# Altium PCB SLMVRtt_REV1.4_MH.PcbDoc
Units mil, origin at the board's own origin, x right, y up, seen from the top; angles counter-clockwise.
Board outline 1968.5 x 1968.5 mil, 2 copper layers (Top Layer, Bottom Layer); 96 components, 62 nets, 337 pads, 199 vias.
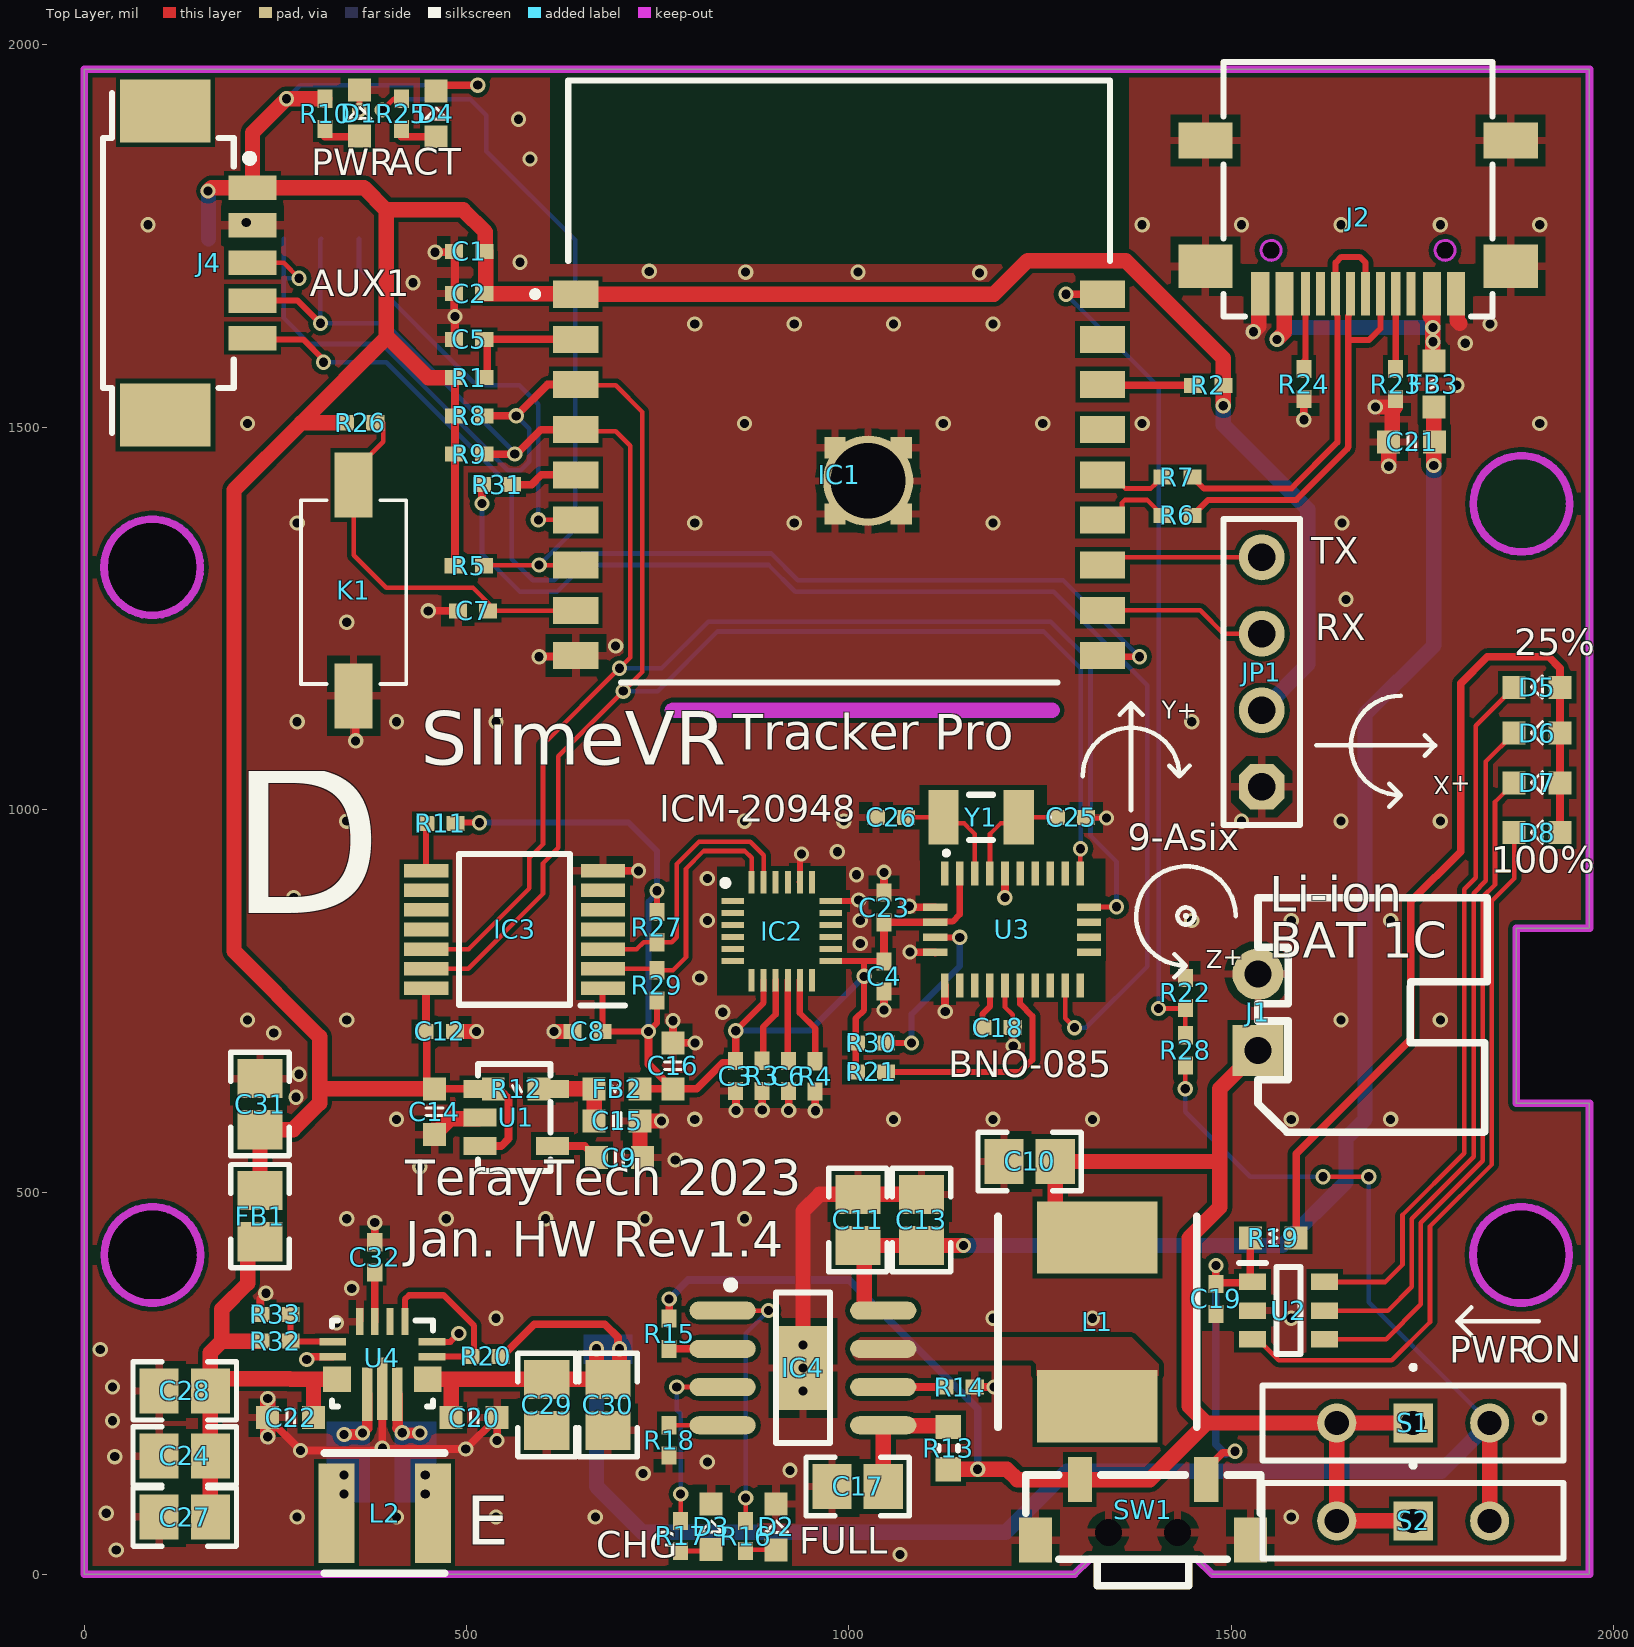
[diagram p0: Top Layer view]
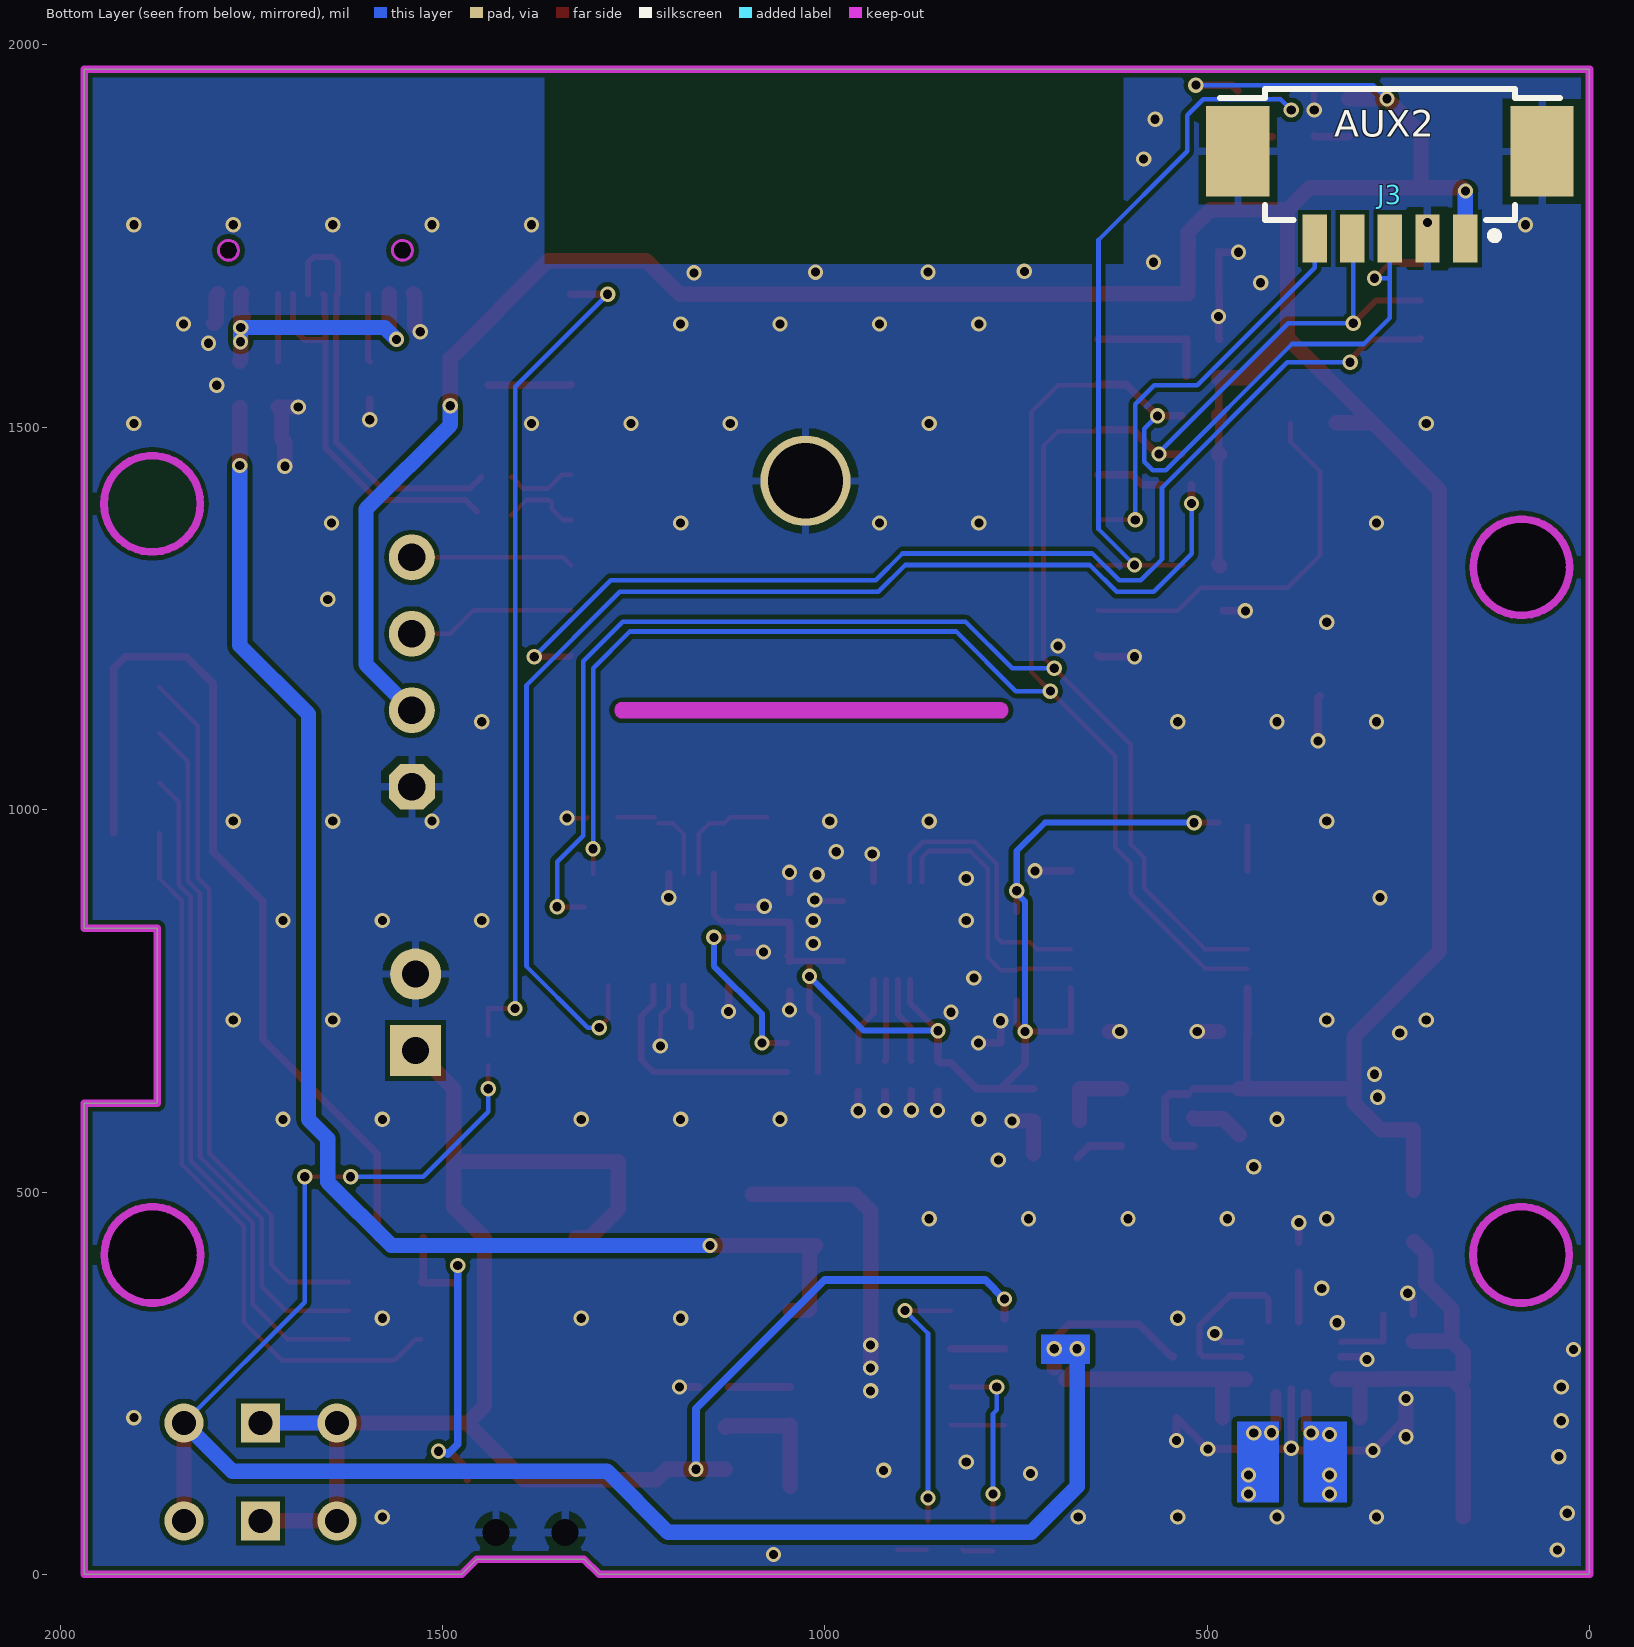
[diagram p1: Bottom Layer view, seen from below]

## Layer stack, top to bottom
Top Solder: solder mask 0.4, Solder Resist, Dk 3.5
Top Layer: signal copper 1.4
Dielectric 1: dielectric 12.6, FR-4, Dk 4.8
Bottom Layer: signal copper 1.4
Bottom Solder: solder mask 0.4, Solder Resist, Dk 3.5

## Board outline
0,0 0,1968.5 1968.5,1968.5 1968.5,845 1873,845 1873,616 1968.5,616 1968.5,0 1475,0 1455,20 1315,20 1295,0
cut-out: 1816.26,417.75 ccw(c1879.25,417.75) 1879.25,354.76 ccw(c1879.25,417.75) 1942.24,417.75 ccw(c1879.25,417.75) 1879.25,480.74 ccw(c1879.25,417.75)
cut-out: 26.26,417.75 ccw(c89.25,417.75) 89.25,354.76 ccw(c89.25,417.75) 152.24,417.75 ccw(c89.25,417.75) 89.25,480.74 ccw(c89.25,417.75)
cut-out: 26.01,1317 ccw(c89,1317) 89,1254.01 ccw(c89,1317) 151.99,1317 ccw(c89,1317) 89,1379.99 ccw(c89,1317)
cut-out: 770,1119.99 cw(c770,1130) 770,1140.01 1265,1140.01 cw(c1265,1130) 1275.01,1130 cw(c1265,1130) 1265,1119.99
cut-out: 1766.74,1731.5 ccw(c1779.74,1731.5) 1779.74,1718.5 ccw(c1779.74,1731.5) 1792.74,1731.5 ccw(c1779.74,1731.5) 1779.74,1744.5 ccw(c1779.74,1731.5)
cut-out: 1539.18,1731.5 ccw(c1552.18,1731.5) 1552.18,1718.5 ccw(c1552.18,1731.5) 1565.18,1731.5 ccw(c1552.18,1731.5) 1552.18,1744.5 ccw(c1552.18,1731.5)

## Design rules (kind name [scope] priority, off if disabled: settings)
Clearance [All] p1: gap=6 ignorepadtopadclearanceinfootprint=TRUE except(0: Arc-Hole Track-Hole SMDPad-Hole THPad-Hole Via-Hole Fill-Hole Poly-Hole Region-Hole Text-Hole; 10: Arc-Text Track-Text SMDPad-Text THPad-Text Via-Text Fill-Text Poly-Text Region-Text Text-Text)
ComponentClearance [All] p1 off: gap=10 collisioncheckmode=3 verticalgap=10 showdistances=FALSE
PolygonConnect PolygonConnect_1 [InNet('Netic4_7')] p1: connectstyle=Direct reliefconductorwidth=10 reliefentries=4 polygonreliefangle="90 Angle" airgapwidth=10
PolygonConnect PolygonConnect_1VIA [IsVia] p2: connectstyle=Direct reliefconductorwidth=10 reliefentries=4 polygonreliefangle="90 Angle" airgapwidth=10
PolygonConnect [All] p3: connectstyle=Relief reliefconductorwidth=10 reliefentries=4 polygonreliefangle="90 Angle" airgapwidth=10
RoutingVias [All] p1: holewidth=28 width=50 viastyle="Through Hole" minholewidth=12 minwidth=20 maxholewidth=28 maxwidth=50
SolderMaskExpansion [All] p1: expansion=4 istentingtop=FALSE
Width [All] p1: maxlimit=20 minlimit=6 preferedwidth=10 minimp=50.000000 maximp=50.000000 favimp=50.000000
29 further rules are at their usual default settings.

## Components (designator, comment, footprint, x,y, rotation, side; value= is the part's Value field where it differs from the comment)
C1 "0.1uF" 0402L 503.5,1730 r0 top value=104
C2 "0.1uF" 0402L 503.5,1675 r0 top value=104
C3 "0.1uF" 0402L 852,651.69 r270 top value=104
C4 "0.1uF" 0402L 1046,782 r270 top value=104
C5 "1uF" 0402L 503.5,1615 r0 top value=104
C6 "0.1uF" 0402L 921,651.68 r90 top value=104
C7 "0.1uF" 0402L 508.5,1260 r180 top value=104
C8 "0.1uF" 0402L 658.32,710 r180 top value=104
C9 "NC" 0603_C 700,545 r180 top value=104
C10 "22uF" 0805 1236.54,540 r0 top value=104
C11 "10uF" 0805 1011.8,463.46 r270 top value=104
C12 "0.1uF" 0402L 465,710 r0 top value=104
C13 "22uF" 0805 1095,463.46 r270 top value=104
C14 "2.2uF" 0603_C 458,605 r90 top value=104
C15 "2.2uF" 0603_C 697,593 r180 top value=104
C16 "1uF" 0603_C 770,665 r270 top value=104
C17 "22uF" 0805 1011.54,115 r0 top value=104
C18 "0.1uF" 0402L 1194.69,715 r180 top value=104
C19 "0.1uF" 0402L 1480,360.31 r90 top value=104
C20 "10uF" 0603_C 510,205 r0 top value=104
C21 "2.2uF" 0603_C 1736,1481 r0 top value=104
C22 "10uF" 0603_C 270,205 r180 top value=104
C23 "0.1uF" 0402L 1046,872 r270 top value=104
C24 "22uF" 0805 131.54,155 r180 top value=104
C25 "12pF" 0402L 1290.69,990 r180 top value=104
C26 "12pF" 0402L 1055.31,990 r0 top value=104
C27 "22uF" 0805 131.54,75 r180 top value=104
C28 "22uF" 0805 131.54,240 r180 top value=104
C29 "10uF" 0805 605,221.54 r90 top value=104
C30 "10uF" 0805 685,221.54 r90 top value=104
C31 "10uF" 0805 230,615 r270 top value=104
C32 "0.1uF" 0402L 380,414.69 r270 top value=104
D1 "黄" 0603_LED 360,1910 r90 top
D2 "红" 0603_LED 905,61 r90 top
D3 "绿" 0603_LED 820,61.31 r90 top
D4 "蓝" 0603_LED 460,1909 r90 top
D5 "黄" 0603_LED 1901,1160 r180 top
D6 "黄" 0603_LED 1901,1100 r180 top
D7 "黄" 0603_LED 1901,1035 r180 top
D8 "黄" 0603_LED 1901,970 r180 top
FB1 "600Ω @ 100MHz" 0805 230,468.46 r90 top
FB2 "600Ω @ 100MHz" 0603 697,635 r0 top
FB3 "600Ω @ 100MHz" 0603 1765,1556.5 r270 top
IC1 "ESP32-C3-WROOM-02-N4" ESP32C3WROOM02N4 1025.2,1430 r0 top locked
IC2 "ICM-20948" QFN40P300X300X105-25N-D 912.25,841.25 r0 top
IC3 "LSF0204PWR" SOP65P640X120-14N 562.79,843.35 r180 top
IC4 "IP2312" SOIC-8N 940,270 r0 top
J1 "2PIN" XH2.54-WI-2P 1535,735 r90 top
J2 "USB_TYPEC_2.0" USB_TYPEC_2.0_Horizontal_SMT 1665.96,1875.2 r180 top
J3 "HEADER-5PIN" HEADER_5P_1.25_RT 261,1857 r0 bottom
J4 "HEADER-5PIN" HEADER_5P_1.25_RT 110,1715 r270 top
JP1 "header 4PIN" header4 1540,1030 r90 top
K1 "KEY" KEY_2 368.5,1295 r270 top
L1 "INDUCTOR" "Inductor  SLO0650" 1325,330.24 r180 top value=1uH
L2 "INDUCTOR" "Inductor  SMNR4020" 392.99,80 r270 top value=1.5uH
R1 "10K" 0402L 503.5,1565 r0 top value=1K
R2 "10K" 0402L 1470,1555 r0 top value=1K
R3 "10K" 0402L 886.5,652 r270 top value=1K
R4 "10K" 0402L 956,651.32 r270 top value=1K
R5 "10K" 0402L 503,1319 r0 top value=1K
R6 "0R" 0402L 1429.69,1385 r180 top value=1K
R7 "0R" 0402L 1429.69,1435 r180 top value=1K
R8 "4.7K" 0402L 503.5,1515 r180 top value=1K
R9 "4.7K" 0402L 503.5,1465 r180 top value=1K
R10 "10K" 0402L 315,1910 r270 top value=1K
R11 "10K" 0402L 466,982 r180 top value=1K
R12 "NC" 0603 565,635 r180 top value=1K
R13 "510mR" 0603L 1130,165 r270 top value=1K
R14 "135K" 0402L 1145,245 r0 top value=1K
R15 "1K" 0402L 765,314.68 r90 top
R16 "10K" 0402L 865,50 r90 top value=1K
R17 "10K" 0402L 780,50.31 r90 top value=1K
R18 "51K" 0402L 765,175.31 r90 top value=1K
R19 "1K" 0603_R 1555,440 r0 top
R20 "10K" 0402L 525,285 r180 top value=1K
R21 "10K" 0402L 1029,657 r0 top value=1K
R22 "10K" 0402L 1440,760.32 r270 top value=1K
R23 "5.1K" 0402L 1715,1556.5 r270 top value=1K
R24 "5.1K" 0402L 1595,1556.5 r270 top value=1K
R25 "10K" 0402L 415,1910 r270 top value=1K
R26 "10K" 0402L 361,1506 r180 top value=1K
R27 "4.7K" 0402L 749,846.31 r90 top value=1K
R28 "10K" 0402L 1440,685.32 r270 top value=1K
R29 "4.7K" 0402L 749,770.32 r270 top value=1K
R30 "10K" 0402L 1029,695 r0 top value=1K
R31 "100R" 0402L 540,1425 r180 top value=1K
R32 "470K" 0402L 250,305 r180 top value=1K
R33 "150K" 0402L 250,340 r0 top value=1K
S1 "BSI-10" BSI10 1738,198 r180 top
S2 "BSI-10" BSI10 1738,70 r180 top (schematic designator S1)
SW1 "switch 侧按" "TSW 3*6*4.3-S-W" 1384.72,55 r0 top
U1 "SPX3819-1.8" SOT-23-5 567.98,598.5 r270 top
U2 "HX70A" SOT95P250X110-6N 1575,345 r0 top
U3 "BNO-08x" BNO085 1214.06,842.84 r90 top
U4 "TPS63070RNMR" RNM0015A 390,275.67 r270 top value=Value
Y1 "FC-135_32.7680KA-AG0" FC135327680KAAG0 1173,990 r180 top

## Footprints (in the part's own frame and the unit in brackets; to place one, negate y for a bottom-side part, rotate by r counter-clockwise, add the part's x,y. Pads: shape width x height; smd on the part's side, far side on the other; paste and mask are expansions set on the pad)
0402L [mm] "0402 from SM-752 data"
  rect 0.6x0.5 smd: 1(-0.5,0) 2(0.5,0)
  body extent -0.55,-0.3 0.55,0.3, height 0.6
0603 [mil]
  rect 30x30 smd: 1(-30,0) 2(30,0)
  silkscreen extent -7,-4 5,4, body extent -31,-18 31,19, height 34
0603_C [mil] "Capacitor"
  rect 30x30 smd: 1(-30,0) 2(30,0)
  silkscreen extent -5,-11 5,11, body extent -51,-18 52,21, height 35
0603_LED [mil]
  rect 30x30 smd: 1(31,0) 2(-29,0)
  silkscreen extent -6,-15 9,14, body extent -31,-16 31,16, height 24
0603_R [mil]
  rect 30x30 smd: 1(-30,0) 2(30,0)
  silkscreen extent -5,-10 5,10, body extent -34,-19 34,19, height 39
0603L [mm] "0603 from SM-752 data"
  rect 0.8x0.85 smd: 1(-0.7,0) 2(0.7,0)
  silkscreen extent -0.07,-0.33 0.07,0.33, body extent -0.87,-0.47 0.87,0.47, height 1
0805 [mm] "0805 from SM-752 data"
  rect 1.3x1.5 smd: 1(-0.85,0) 2(0.85,0)
  silkscreen extent -1.72,-0.97 1.72,0.97, body extent -1.1,-0.72 1.1,0.72, height 1.45
BNO085 [mm]
  rect 0.8x0.25 smd: 1(1.868,2.25) 6(-1.842,2.25) 7(-1.842,1.75) 8(-1.842,1.25) 9(-1.842,0.75) 10(-1.842,0.25) 11(-1.842,-0.25) 12(-1.842,-0.75) 13(-1.842,-1.25) 14(-1.842,-1.75) 15(-1.842,-2.25) 20(1.868,-2.25) 21(1.868,-1.75) 22(1.868,-1.25) 23(1.868,-0.75) 24(1.868,-0.25) 25(1.868,0.25) 26(1.868,0.75) 27(1.868,1.25) 28(1.868,1.75)
  rect 0.25x0.8 smd: 2(0.75,2.567) 3(0.25,2.567) 4(-0.25,2.567) 5(-0.75,2.567) 16(-0.75,-2.542) 17(-0.25,-2.542) 18(0.25,-2.542) 19(0.75,-2.542)
  silkscreen extent 2.5,2.15 2.6,2.25, body extent -1.9,-2.6 1.9,2.6, height 1.28
BSI10 [mm]
  rect 1.3x1.3 hole 0.8: 1(0,0)
  round 1.3 hole 0.8: 2(2.54,0) 3(-2.54,0)
  silkscreen extent -5,-1.9 5,1.25, body extent -5,-1.25 5,1.25, height 6.5
ESP32C3WROOM02N4 [mm]
  rect 1.5x0.9 smd: 1(-9.71,6.2) 2(-9.71,4.7) 3(-9.71,3.2) 4(-9.71,1.7) 5(-9.71,0.2) 6(-9.71,-1.3) 7(-9.71,-2.8) 8(-9.71,-4.3) 9(-9.71,-5.8) 10(7.79,-5.8) 11(7.79,-4.3) 12(7.79,-2.8) 13(7.79,-1.3) 14(7.79,0.2) 15(7.79,1.7) 16(7.79,3.2) 17(7.79,4.7) 18(7.79,6.2)
  rect 0.7x0.7 smd: 19(0,0) 20(1.1,0) 21(1.1,1.1) 22(0,1.1) 23(-1.1,1.1) 24(-1.1,0) 25(-1.1,-1.1) 26(0,-1.1) 27(1.1,-1.1)
  silkscreen extent -11.16,-6.7 8.04,13.3, body extent -10.31,-6.7 7.69,13.3, height 3.2
FC135327680KAAG0 [mm]
  rect 1x1.8 smd: 1(-1.25,0) 2(1.25,0)
  silkscreen extent -2.3,-0.75 0.4,0.75, body extent -1.6,-0.75 1.6,0.75, height 0.9
header4 [mil]
  oct 60x60 hole 36: 1(0,0)
  round 60 hole 36: 2(100,0) 3(200,0) 4(300,0)
  silkscreen extent -50,-50 350,50
HEADER_5P_1.25_RT [mm]
  rect 0.81x1.6 smd: 1(-2.5,2.8) 2(-1.25,2.8) 3(0,2.8) 4(1.25,2.8) 5(2.5,2.8)
  rect 2.1x3 smd: MP1(-5.05,-0.1) MP2(5.05,-0.1)
  silkscreen extent -5.65,-2.17 5.65,2.82, body extent -5.5,-2.1 5.5,3.3, height 3.4
"Inductor  SLO0650" [mm]
  rect 4x2.4 smd: 1(0,2.8) 2(0,-2.8)
  silkscreen extent -3.3,-3.5 3.3,3.5, body extent -3.3,-3.5 3.3,3.5, height 5
"Inductor  SMNR4020" [mm]
  rect 3.3x1.2 smd: 1(0,1.6) 2(0,-1.6)
  silkscreen extent -2,-2 2,2, body extent -2,-2 2,2, height 2
KEY_2 [mil] "贴片"
  rect 85x49.37 smd: 1(-129.57,-16.14) 2(146.02,-16.14)
  silkscreen extent -110,-85 130,53, body extent -110,-88 130,58
QFN40P300X300X105-25N-D [mm]
  rect 0.75x0.2 smd: 1(-1.627,1) 2(-1.627,0.6) 3(-1.627,0.2) 4(-1.627,-0.2) 5(-1.627,-0.6) 6(-1.627,-1) 13(1.627,-1) 14(1.627,-0.6) 15(1.627,-0.2) 16(1.627,0.2) 17(1.627,0.6) 18(1.627,1)
  rect 0.2x0.75 smd: 7(-1,-1.627) 8(-0.6,-1.627) 9(-0.2,-1.627) 10(0.2,-1.627) 11(0.6,-1.627) 12(1,-1.627) 19(1,1.627) 20(0.6,1.627) 21(0.2,1.627) 22(-0.2,1.627) 23(-0.6,1.627) 24(-1,1.627)
  silkscreen extent -1.97,1.5 -1.78,1.7, body extent -1.5,-1.5 1.5,1.5, height 0.98
RNM0015A [mm]
  rect 0.889x0.24 smd paste+0 mask+0.051: 1(-1.397,0.75) 2(-1.397,0.25) 3(-1.397,-0.25) 4(-1.397,-0.75)
  rect 0.24x0.889 smd paste+0 mask+0.051: 5(-0.725,-1.651) 6(-0.225,-1.651) 14(-0.225,1.651) 15(-0.725,1.651)
  rect 0.85x0.7 smd paste-0.35 mask-0.356: 7(0.525,-1.4) 12(0.525,1.4)
  rect 0.85x0.889 smd paste-0.35 mask-0.356: 8(0.525,-1.524) 13(0.525,1.524)
  rect 1.778x0.35 smd paste-0.712 mask-0.051: 9(1.016,-0.5) 11(1.016,0.5)
  rect 2.083x0.343 smd paste-0.887 mask-0.051: 10(0.838,0)
  silkscreen extent -1.43,-1.68 1.43,1.68, body extent -1.25,-1.5 1.25,1.5, height 1.1
SOIC-8N [mm] "SOIC, has a pad under it"
  oval 2.2x0.6 smd: 1(-2.667,1.905) 2(-2.667,0.635) 3(-2.667,-0.635) 4(-2.667,-1.905) 5(2.667,-1.905) 6(2.667,-0.635) 7(2.667,0.635) 8(2.667,1.905)
  rect 1.778x2.794 smd: 9(0,0)
  silkscreen extent -2.52,-2.5 0.9,2.88, body extent -3,-2.45 3,2.45, height 1.7
SOP65P640X120-14N [mm]
  rect 1.475x0.45 smd: 1(-2.938,1.95) 2(-2.938,1.3) 3(-2.938,0.65) 4(-2.938,0) 5(-2.938,-0.65) 6(-2.938,-1.3) 7(-2.938,-1.95) 8(2.938,-1.95) 9(2.938,-1.3) 10(2.938,-0.65) 11(2.938,0) 12(2.938,0.65) 13(2.938,1.3) 14(2.938,1.95)
  silkscreen extent -3.67,-2.5 1.85,2.52, body extent -3.2,-2.5 3.2,2.5, height 1.2
SOT95P250X110-6N [mm]
  rect 0.9x0.55 smd: 1(-1.2,0.95) 2(-1.2,0) 3(-1.2,-0.95) 4(1.2,-0.95) 5(1.2,0) 6(1.2,0.95)
  silkscreen extent -1.65,-1.45 0.4,1.58, body extent -1.25,-1.45 1.25,1.45, height 1.1
SOT-23-5 [mm]
  rect 0.6x1.1 smd: 1(-0.926,-1.273) 2(0.024,-1.273) 3(0.974,-1.273) 4(0.974,1.127) 5(-0.926,1.127)
  silkscreen extent -1.75,-1.34 1.8,1.07, body extent -1.45,-1.53 1.45,1.27, height 1.2
"TSW 3*6*4.3-S-W" [mm] "侧立贴片3*6*4.3"
  rect 1.1x1.5 smd: 0(-3.575,-0.25) 0(3.575,-0.25)
  round 0 hole 0.9: 0(-1.15,0) 0(1.15,0)
  rect 0.8x1.5 smd: 1(2.1,1.75) 2(-2.1,1.75)
  silkscreen extent -3.9,-1.78 3.9,1.91, body extent -3.9,-1.79 3.9,1.91, height 3.51
USB_TYPEC_2.0_Horizontal_SMT [mm]
  rect 0.6x1.45 smd: A1(-3.25,5.095) A4(-2.45,5.095) A9(2.45,5.095) A12(3.25,5.095)
  rect 0.3x1.45 smd: A5(-1.25,5.095) A6(-0.25,5.095) A7(0.25,5.095) A8(1.25,5.095) B5(1.75,5.095) B6(0.75,5.095) B7(-0.75,5.095) B8(-1.75,5.095)
  rect 1.8x1.45 smd: Shell(-5.07,4.18) Shell(5.07,4.18)
  rect 1.8x1.2 smd: Shell(-5.07,0) Shell(5.07,0)
  Keep-Out Layer board cut-out: 2.89,3.325 2.766,3.35 2.66,3.42 2.59,3.526 2.565,3.65 2.565,3.65 2.59,3.774 2.66,3.88 2.766,3.95 2.89,3.975 2.89,3.975 3.014,3.95 3.12,3.88 3.19,3.774 3.215,3.65 3.215,3.65 3.19,3.526 3.12,3.42 3.014,3.35 2.89,3.325
  Keep-Out Layer board cut-out: -2.89,3.325 -3.014,3.35 -3.12,3.42 -3.19,3.526 -3.215,3.65 -3.215,3.65 -3.19,3.774 -3.12,3.88 -3.014,3.95 -2.89,3.975 -2.89,3.975 -2.766,3.95 -2.66,3.88 -2.59,3.774 -2.565,3.65 -2.565,3.65 -2.59,3.526 -2.66,3.42 -2.766,3.35 -2.89,3.325
  silkscreen extent -4.47,-2.6 4.47,5.85
XH2.54-WI-2P [mm] "接插件，2P"
  rect 1.7x1.7 hole 0.9: 1(-1.27,0)
  round 1.7 hole 0.9: 2(1.27,0)
  silkscreen extent -3.99,-7.62 3.81,0, body extent -3.77,-7.35 3.77,0.35, height 5.73

## Part data
C1 C2 C3 C4 C5 C6 C7 C8 C9 C10 C11 C12 C13 C14 C15 C16 C17 C18 C19 C20 C21 C22 C23 C24 C25 C26 C27 C28 C29 C30 C31 C32: library part CAP, "Capacitor", LatestRevisionDate=17-Jul-2002, LatestRevisionNote="Re-released for DXP Platform.", PackageReference=RAD-0.3, Published=8-Jun-2000, Publisher="Altium Limited"
D1 D2 D3 D4 D5 D6 D7 D8: library part LED, "LED 发光二极管"
FB1 FB2 FB3: library part FB, "磁珠 600Ω @ 100MHz"
IC1: "Integrated Circuit", Manufacturer_Name="Espressif Systems", Mouser Part Number=356-ESP32C3WROOM02N4, Datasheet Link=https://www.mouser.ch/datasheet/2/891/Espressif_ESP32_C3_WROOM_02-2006871.pdf, Height=3.35mm, Manufacturer_Part_Number=ESP32-C3-WROOM-02-N4, Mouser Price/Stock=https://www.mouser.co.uk/ProductDetail/Espressif-Systems/ESP32-C3-WROOM-02-N4?qs=stqOd1AaK7%2FqjTZKEOgfUg%3D%3D
IC2: "Integrated Circuit", Manufacturer_Name=TDK, Mouser Part Number=410-ICM-20948, Arrow Part Number=ICM-20948, Arrow Price/Stock=https://www.arrow.com/en/products/icm-20948/invensense?region=nac, Datasheet Link=https://product.tdk.com/system/files/dam/doc/product/sensor/mortion-inertial/imu/data_sheet/ds-000189-icm-20948-v1.3.pdf, Height=1.05mm, Manufacturer_Part_Number=ICM-20948, Mouser Price/Stock=https://www.mouser.co.uk/ProductDetail/TDK-InvenSense/ICM-20948?qs=u4fy%2FsgLU9OtGc31yF%2Friw%3D%3D
IC3: "Integrated Circuit", Manufacturer_Name="Texas Instruments", Mouser Part Number=595-LSF0204PWR, Arrow Part Number=LSF0204PWR, Arrow Price/Stock=https://www.arrow.com/en/products/lsf0204pwr/texas-instruments?region=nac, Datasheet Link=http://www.ti.com/lit/gpn/lsf0204, Height=1.2mm, Manufacturer_Part_Number=LSF0204PWR, Mouser Price/Stock=https://www.mouser.co.uk/ProductDetail/Texas-Instruments/LSF0204PWR?qs=m%2F7bTylgptck0MkFZrWcVg%3D%3D
IC4: "Integrated Circuit", Manufacturer_Name=INJOINIC, Datasheet Link=http://www.szjuquan.com/upload_files/qb_sell_/pdf/IP2312.pdf, Height=1.65mm, Manufacturer_Part_Number=IP2312
J1: library part "HEADER 2PIN"
J2: "USB 3.1 Type C Receptacle WR-COM, Horizontal, SMT / THT", Contact Resistance="30 mOhm", Operating Temperature="-40 to 105 degC", Part Number=632723300011, Rated Current="5 A", Working Voltage="20 VDC", ComponentLink1Description=Manufacturer, ComponentLink1URL=http://www.we-online.de, ComponentLink2Description=Datasheet, ComponentLink2URL=https://katalog.we-online.de/em/datasheet/632723x00011%282%29.pdf, Connector Type="USB 3.1 Type C", Gender=Receptacle, Mounting Technology="SMT / THT", Orientation=Horizontal, Packaging="Tape and Reel", Published Date="September 2018", Publisher="Wurth Elektronik"
JP1: library part "HEADER 4"
K1: library part KEY_2, "Switch", LatestRevisionDate=17-Jul-2002, LatestRevisionNote="Re-released for DXP Platform.", PackageReference=SPST-2, Published=24-Mar-1999, Publisher="Altium Limited"
L1 L2: "电感", Code_IEC=1005, Code_JEITA=0402, LatestRevisionDate=17-Jul-2002, LatestRevisionNote="Re-released for DXP Platform.", PackageReference=0402-A, Published=8-Jun-2000, Publisher="Altium Limited"
R1 R2 R3 R4 R5 R6 R7 R8 R9 R10 R11 R12 R13 R14 R15 R16 R17 R18 R19 R20 R21 R22 R23 R24 R25 R26 R27 R28 R29 R30 R31 R32 R33: library part RES, "Resistor", Published=8-Jun-2000, Publisher="Altium Limited", Revision="July-2002: Re-released for DXP Platform."
S1 S2: "Switch", Manufacturer_Name=Sungmun, Datasheet Link=https://datasheet.datasheetarchive.com/originals/distributors/Datasheets-2/DSA-20618.pdf, Height=6.4mm, Manufacturer_Part_Number=BSI-10
U1: library part ADP150
U2: "单节锂电池电量指示芯片"
U3: library part BNO085, "Accelerometer", Manufacturer_Name="Hillcrest Laboratories", Datasheet Link=https://www.hillcrestlabs.com/downloads/bno080-datasheet, Height=1.18mm, Manufacturer_Part_Number=BNO085
U4: "Imported", Manufacturer="Texas Instruments", PartNumber=TPS63070RNMR, RefDes=RefDes, Type=TYPE
Y1: "Crystal or Oscillator", Arrow Part Number="FC-135 32.7680KA-AG0", Manufacturer_Name="Epson Timing", Mouser Part Number=732-FC135-32.76KAAG0, Arrow Price/Stock=https://www.arrow.com/en/products/fc-13532.7680ka-ag0/epson-electronics-america?region=nac, Datasheet Link=https://support.epson.biz/td/api/doc_check.php?dl=brief_FC-135&lang=en/.pdf, Height=0.9mm, Manufacturer_Part_Number="FC-135 32.7680KA-AG0", Mouser Price/Stock=https://www.mouser.co.uk/ProductDetail/Epson-Timing/FC-135-32.7680KA-AG0?qs=l3LL3yk8ONZCQSM4diwOUg%3D%3D

## Free pads (board coordinates)
  round 118.11 hole 98.43: 2(1025.2,1430)

## Via types
v1: diameter 20, hole 12, Top Layer to Bottom Layer, tented both sides, 199 vias

## Nets (pads, with @x,y where several pads share a name; then routed paths per layer and width w, separated by ;. In a path a pad name is that pad's centre, name@x,y a point inside that pad or via, vN(x,y) a via of type N, cw(c..) or ccw(c..) an arc to the next point about the centre after c; other vN are vias at no path point)
bat: C10.2 J1.1 L1.2 R13.2 R15.2 S1.1 S1.2 S2.1 S2.2 SW1.2 | length 2442.4
  Top Layer w10: R15.2 v1(765,360)
  Top Layer w20: R13.2 v1(1168.43,137.44) 1206.87,137.44 1220.41,123.9 SW1.2 1393.9,123.9 1468,198 S1.2 ; L1.2 1307.24,440.48 1270,477.72 C10.2 1485,540 ; 1467.5,197.5 1445,220 1445,440 1485,480 1485,540 ; J1.1 1485,635 1485,540 ; S2.1 S2.2 S1.2 ; S1.1 S1.2
  Bottom Layer w10: v1(765,360) 790,385 1000,385 1168.43,216.57 v1(1168.43,137.44)
  Bottom Layer w20: S1.2 S1.1
BOOT: C7.1 IC1.8 K1.1 R26.1 | length 510.3
  Top Layer w6: R26.1@391,1506 391,1481.02 352.36,1442.38 K1.1 352.36,1332.64 395,1290 508.5,1290 534.33,1264.17 538.5,1260 642.2,1260 IC1.8
GND: C1.1 C2.1 C3.2 C4.2 C5.1 C6.1 C7.2 C8.2 C9.1 C10.1 C11.1 C12.2 C13.1 C14.1 C15.1 C16.1 C17.1 C18.1 C19.1 C20.2 C21.1 C22.2 C23.1 C24.2 C25.1 C26.1 C27.2 C28.2 C29.1 C30.1 C31.1 C32.1 D1.1 D2.1 D3.1 IC1.9 IC1.19 IC1.20 IC1.21 IC1.22 IC1.23 IC1.24 IC1.25 IC1.26 IC1.27 IC2.18 IC2.20 IC3.7 IC4.9 J1.2 J2.A1 J2.A12 J2.Shell J3.2 J3.MP1 J3.MP2 J4.2 JP1.1 K1.2 pad.2 R3.2 R4.2 R14.2 R18.1 R22.1 R23.2 R24.2 R33.1 SW1.0 U1.2 U2.2 U3.2 U3.5 U3.6 U3.10 U3.25 U4.4 U4.6 U4.10 U4.15 | length 2312.3
  Top Layer w6: U3.10 1204.22,741.78 1214.37,731.63 C18.1 1215,714.37 v1(1215,691) ; C25.1 1311.37,989 v1(1337,989)
  Top Layer w8: v1(360,1915) D1.1 ; U4.15 455.21,304 479,304 v1(490,315) ; IC2.20 935.94,905.37 935.94,939.94 v1(938,942) ; IC2.18 976.37,880.69 1011.69,880.69 v1(1013,882)
  Top Layer w10: R33.1 230.32,360.32 v1(237.66,367.66) ; C22.2 v1(283,162) 387,162 v1(390,165) ; v1(291,281) 294.53,284.53 U4.6 ; K1.2 355,1146.34 v1(355,1090) ; C32.1 v1(380,460) ; U4.10 v1(390,165) ; v1(450,1260) C7.2@478.5,1260 ; v1(459,1729) 484,1729 485,1730 485,1675 484.02,1674.02 484.02,1645.98 v1(485,1645) 485,1616.18 C5.1 ; v1(540,175) C20.2 v1(499,164) 391,164 v1(390,165) ; v1(595,1200) 641.26,1200 IC1.9 ; IC3.7 IC3.7 724.94,920.06 v1(725,920) ; v1(770,724) C16.1 v1(799,695) ; C3.2 852.5,631.5 v1(852.5,606.5) ; v1(886.75,607.06) R3.2@886.75,632.06 ; v1(921.25,606.75) C6.1@921.25,631.75 ; v1(956.25,606.38) R4.2@956.25,631.38 ; v1(1046,738) C4.2 ; C23.1 v1(1046,918) ; v1(1079,873.68) 1080.39,872.29 1112.92,872.29 U3.2 ; v1(1080,814) 1080.61,813.39 1112.92,813.39 U3.5 ; U3.6 1125.74,770.05 1125.74,736.26 v1(1126,736) ; R14.2 v1(1190,245) ; v1(1204,885) 1204.11,885.11 1204.11,916.27 U3.25 ; v1(1595,1510) R24.2
  Top Layer w20: v1(240,180) C22.2 v1(240,230) ; C14.1 478.75,595.75 516.05,595.75 U1.2 ; C12.2 v1(513,710) ; v1(614.32,710) C8.2@628.32,710 ; C9.1@727,550 C15.1 v1(755,593) ; v1(940,270) 940,475 961.93,496.93 C11.1 C13.1 ; v1(1529,1625) 1536.2,1632.2 1536.2,1672.8 J2.A12 ; v1(1688.5,1526.5) 1715,1526.5 1710.5,1522 1710.5,1485.5 C21.1 v1(1706,1449) ; J2.A1 1795.72,1672.8 1795.72,1639.25 1798.91,1636.06
  other v1: 1067,26 42,32 278.5,75 408.5,75 538.5,75 668.5,75 1578.5,75 29,80 731,132 923,136 815,147 40,154 37,201 1903.5,205 940,240 37,245 21,294 940,300 330,329 538.5,335 1188.5,335 1318.5,335 1578.5,335 350,374 343.5,465 473.5,465 603.5,465 733.5,465 863.5,465 439,533 773,542 408.5,595 798.5,595 1058.5,595 1188.5,595 1318.5,595 1578.5,595 1708.5,595 277,624 281,654 248,708 213.5,725 343.5,725 1643.5,725 1773.5,725 835,735 805,780 1015,825 815,855 1015,855 1448.5,855 1578.5,855 1708.5,855 274,885 815,910 1010,915 985,945 343.5,985 863.5,985 993.5,985 1513.5,985 1643.5,985 1773.5,985 278.5,1115 408.5,1115 538.5,1115 1448.5,1115 695,1214 343.5,1245 1650,1275 278.5,1375 798.5,1375 928.5,1375 1188.5,1375 1645,1375 213.5,1505 863.5,1505 1123.5,1505 1253.5,1505 1383.5,1505 1903.5,1505 1795,1555 1806,1610 798.5,1635 928.5,1635 1058.5,1635 1188.5,1635 1838.5,1635 430,1689 1171,1702 865,1703 1012,1703 739,1704 570,1716 83.5,1765 1383.5,1765 1513.5,1765 1643.5,1765 1773.5,1765 1903.5,1765 212,1768 583,1851 568,1903
INT1: IC1.10 J4.5 | length 1466.7
  Top Layer w8: J4.5 221.81,1615 286.28,1615 313,1588.28 v1(313,1585) ; IC1.10 1333.54,1200 v1(1380,1200)
  Bottom Layer w6: v1(313,1585) 395,1585 559,1421 559,1327.72 586.72,1300 615,1300 650,1335 898.36,1335 933.36,1300 1280,1300 v1(1380,1200)
INT2: IC1.6 J3.5 | length 546.7
  Top Layer w6: v1(594,1379) 642.73,1379 IC1.6
  Bottom Layer w6: J3.5 359.43,1708.57 513,1555 569,1555 594,1530 v1(594,1379)
INT_085: IC1.5 R31.1 | length 88.6
  Top Layer w10: R31.1 585,1425 597.87,1437.87 IC1.5
LED: IC1.7 R5.2 R25.1 | length 948.9
  Top Layer w6: v1(390,1915) 404.68,1929.68 R25.1 ; R5.2@531,1319.76 IC1.7
  Bottom Layer w6: v1(390,1915) 403.99,1928.99 504.89,1928.99 525.94,1907.93 525.94,1861.06 642,1745 642,1367 v1(595,1320)
NetC5_2: C5.2 IC1.2 R1.2 | length 164.1
  Top Layer w10: R1.2@527,1566.84 527,1615 IC1.2 IC1.2
NetC6_2: C6.2 IC2.10 | length 106.2
  Top Layer w8: IC2.10 920.13,672.24 C6.2
NetC9_2: C9.2 U1.4 | length 63.9
  Top Layer w10: U1.4 654.84,560.16 C9.2
NetC15_2: C15.2 FB2.1 R12.1 U1.5 | length 96.6
  Top Layer w20: U1.5@612.37,634.98 FB2.1 ; C15.2 FB2.1
NetC17_2: C17.2 IC4.5 R13.1 | length 166
  Top Layer w20: C17.2 IC4.5 1045.69,194.31 1128.25,194.31 R13.1
NetC18_2: C18.2 U3.9 | length 59.3
  Top Layer w8: C18.2 1175,733 1184.54,742.54 U3.9
NetC19_2: C19.2 R19.1 SW1.1 U2.1 | length 458.5
  Top Layer w10: SW1.1 1467.4,137.68 1488.81,159.09 1503.09,159.09 v1(1505,161) ; v1(1480,404) C19.2 1481.2,381.2 1526.56,381.2 U2.1 1525,385.16 R19.1
  Bottom Layer w10: v1(1480,404) 1480,170 1492.86,157.14 1494.8,159.09 1503.09,159.09 v1(1505,161)
NetC22_1: C22.1 C24.1 C27.1 C28.1 FB1.1 R32.2 U4.7 U4.8 | length 660.8
  Top Layer w20: C27.1 C24.1 C28.1 165,240.41 C28.1@180.59,256 ; FB1.1 229.56,435 213.97,419.41 213.97,380.74 180,346.77 180,305 ; R32.2 180,305 ; C22.1 300,255 ; U4.8 300,255 ; 180,305 165,290 165,255 166,256 C28.1@180.59,256 ; C28.1@180.59,256 269,256 270,255 300,255
NetC25_2: C25.2 U3.26 Y1.1 | length 139.4
  Top Layer w6: U3.26 1184.54,968.15 1198.39,982 Y1.1@1217.6,982 ; Y1.1 C25.2
NetC26_2: C26.2 U3.27 Y1.2 | length 150.7
  Top Layer w6: C26.2 Y1.2 1131.79,982 1151,982 1164.85,968.15 U3.27
NetC32_2: C32.2 U4.3 | length 64.4
  Top Layer w10: C32.2 380.08,394.92 380.08,330.75 U4.3
NetD1_2: D1.2 R10.2 | length 45.4
  Top Layer w10: R10.2@315,1880 359,1880 D1.2
NetD2_2: D2.2 R16.1 | length 38.2
  Top Layer w6: R16.1@866.84,32 D2.2
NetD3_2: D3.2 R17.1 | length 40.7
  Top Layer w6: R17.1 818.32,30.63 D3.2
NetD4_2: D4.2 R25.2 | length 45
  Top Layer w10: R25.2@415,1880 D4.2
NetD5_1: D5.1 U2.6 | length 926.6
  Top Layer w6: U2.6 1701.49,382.4 1724,404.91 1724,469.91 1805,550.91 1805,895.91 1820,910.91 1820,1110 D5.1
NetD5_2: D5.2 D6.2 D7.2 D8.2 R19.2 | length 1179.8
  Top Layer w10: R19.2 1585,550 1735,700 1735,880 1800,945 1800,1165 1835,1200 1915,1200 1930,1185 D5.2 D6.2 D7.2 D8.2
NetD6_1: D6.1 U2.5 | length 906.1
  Top Layer w6: U2.5 1705,345 1736,376 1736,464.94 1817,545.94 1817,890.94 1833,906.94 1833,1063 D6.1
NetD7_1: D7.1 U2.4 | length 877.1
  Top Layer w6: U2.4 1702.6,307.6 1748,353 1748,459.97 1829,540.97 1829,885.97 1845,901.97 1845,1010 D7.1
NetD8_1: D8.1 U2.3 | length 949.9
  Top Layer w6: U2.3 1534.65,307.6 1562.24,280 1710,280 1760,330 1760,455 1841,536 1841,881 1870,910 D8.1
NetFB3_1: FB3.1 J2.A4 J2.A9 | length 386.8
  Top Layer w20: v1(1560,1615) 1569.5,1624.5 J2.A9 ; 1760,1645 1763.71,1641.29 ; J2.A4 1763.71,1673.32 1763.71,1641.29 ; FB3.1 1763.71,1587.79 v1(1763.71,1630.55) 1763.71,1641.29
  Bottom Layer w20: v1(1560,1615) 1575.55,1630.55 v1(1763.71,1630.55) 1764,1630.26 v1(1764,1612)
NetIC1_13: IC1.13 R6.2 | length 101.9
  Top Layer w6: IC1.13 1342.48,1378.82 1357.2,1393.54 1357.2,1401.49 1360.71,1405 1390,1405 R6.2
NetIC1_14: IC1.14 R7.2 | length 92.9
  Top Layer w6: IC1.14 1343.7,1437.87 1361.57,1420 1395,1420 1401.19,1426.19 1401.19,1428.16 1408.03,1435 R7.2
NetIC1_16: IC1.16 R2.1 | length 108.5
  Top Layer w10: IC1.16 1332.87,1555 R2.1@1440,1555
NetIC1_18: IC1.18 R22.2 R28.1 | length 1103.1
  Top Layer w6: v1(1405,740) 1439.37,740 R22.2 R28.1
  Top Layer w10: v1(1283.91,1674.09) IC1.18
  Bottom Layer w6: v1(1283.91,1674.09) 1405,1553 v1(1405,740)
NetIC2_9: IC2.9 R3.1 | length 112.9
  Top Layer w8: R3.1 888,673.18 888,716 904.38,732.38 IC2.9
NetIC2_11: IC2.11 R4.1 | length 114.5
  Top Layer w8: IC2.11 935.87,734.13 956,714 R4.1
NetIC3_8: IC3.8 R11.2 | length 57.8
  Top Layer w8: IC3.8 R11.2@447.12,977.88
NetIC4_1: IC4.1 R16.2 | length 347.7
  Top Layer w6: IC4.1 v1(895,345) ; R16.2 v1(865,100)
  Bottom Layer w6: v1(865,100) 865,315 v1(895,345)
NetIC4_2: IC4.2 R15.1 | length 70
  Top Layer w10: R15.1 IC4.2
NetIC4_3: IC4.3 R17.2 | length 237.1
  Top Layer w6: v1(775,245) IC4.3 ; R17.2 v1(780,105)
  Bottom Layer w6: v1(775,245) 775,215 780,210 v1(780,105)
NetIC4_4: IC4.4 R18.2 | length 70
  Top Layer w6: R18.2 IC4.4
NetIC4_6: IC4.6 R14.1 | length 80.3
  Top Layer w10: IC4.6 R14.1
NetIC4_7: IC4.7 L1.1
NetJ2_A5: J2.A5 R23.1 | length 88.2
  Top Layer w8: R23.1@1715,1586.5 1715.17,1586.67 J2.A5
NetJ2_B5: J2.B5 R24.1 | length 89
  Top Layer w8: R24.1@1595,1586.5 1597.06,1588.56 J2.B5
NetL2_1: L2.1 U4.11 | length 76.3
  Top Layer w14: v1@409.68,191.32 v1(415.89,185.11) 416,185 v1(439,185) ; v1@410,191.32 U4.11@410,235.67
  other v1: 445.98,105 445.98,130
NetL2_2: L2.2 U4.9 | length 78
  Top Layer w14: v1(340,183) 362,183 v1(364,185) 370.2,191.2 U4.9@370.2,235.56
  other v1: 340,105 340,130
NetR20_2: R20.2 U4.1 U4.14 | length 225.6
  Top Layer w8: U4.1 419.53,359.53 425,365 470,365 510,325 510,289.69 R20.2 ; U4.14 464.53,284.53 464.76,284.76 500.08,284.76 R20.2@500.31,285
NetR21_2: R21.2 U3.11 | length 301.9
  Top Layer w8: R21.2 1224,657 1240,673 1240,730 1223.91,746.09 U3.11
NetR30_2: R30.2 U3.4 | length 229.4
  Top Layer w8: R30.2 v1(1082,695) ; U3.4 v1(1145,833)
  Bottom Layer w8: v1(1082,695) 1082,732.5 1145,795.5 v1(1145,833)
NetR31_2: R31.2 U3.14 | length 1616.5
  Top Layer w6: U3.14 1282.96,727.04 v1(1295,715)
  Top Layer w10: v1(520.31,1400.31) R31.2
  Bottom Layer w6: v1(520.31,1400.31) 520.31,1334.69 570,1285 618.38,1285 653.38,1320 894.97,1320 929.97,1285 1267.85,1285 1390,1162.85 1390,795 1310,715 v1(1295,715)
NetR32_1: R32.1 R33.2 U4.5 | length 90.6
  Top Layer w8: R33.2 R32.1 270.08,304.61 324.61,304.61 U4.5
P3.3V: C1.2 C2.2 C12.1 C14.2 C31.2 D4.1 FB1.2 IC1.1 IC3.14 J3.1 J4.1 JP1.2 R1.1 R2.2 R5.1 R8.2 R9.2 R10.1 R12.2 R26.2 U1.1 U1.3 | length 4941.1
  Top Layer w10: IC3.14 447.12,704.3 448,703.42 448,645 C14.2 U1.1@517.84,634.98 ; D4.1 467.5,1947.5 v1(514.73,1947.5) ; R5.1@485,1320.68 R9.2@485,1463.82 ; R9.2@485,1466.18 R8.2@485,1513.82 ; R8.2@485,1516.18 R1.1@485,1563.82 ; U1.3 545.16,560.16 555,570 555,622.29 549.14,628.15 R12.2@524.67,628.15
  Top Layer w20: v1(162,1809) 166.43,1813.43 J4.1 ; FB1.2 C31.2 273.27,581.54 308,616.27 308,635 ; R10.1 v1(264.68,1929.68) 220.24,1885.24 J4.1 ; R26.2@331,1506 284,1506 ; 395,1620 450,1565 R1.1@478.5,1565 ; C14.2 308,635 ; R5.1 R5.1@485,1320.68 ; R1.1 R1.1@485,1563.82 ; R9.2@485,1463.82 R9.2 R9.2@485,1466.18 ; R8.2@485,1513.82 R8.2 R8.2@485,1516.18 ; C1.2@524.68,1730.16 524.68,1755.32 495.64,1784.36 395,1784.36 ; C1.2@525,1729.84 525,1674.55 642.46,1674.55 IC1.1 1189.91,1674.09 1233.81,1718 1361,1718 ; 1362,1718 1489.69,1590.32 R2.2 v1(1489.69,1528.31) ; J4.1 365.94,1813.43 395,1784.36 ; 284,1506 395,1617 395,1784.36 ; 284,1506 196,1418 196,815 308,703 308,635
  Bottom Layer w6: v1(264.68,1929.68) 282.5,1947.5 v1(514.73,1947.5)
  Bottom Layer w20: v1(162,1809) 162.57,1808.43 J3.1 ; v1(1489.69,1528.31) 1489.69,1503.31 1600,1393 1600,1190 JP1.2
P_GYRO: C3.1 C4.1 C8.1 C16.2 C23.2 FB2.2 IC2.8 IC2.13 IC3.1 R11.1 R21.1 R27.2 R29.2 R30.1 U3.3 U3.28 | length 1688.5
  Top Layer w8: R11.1@484.44,983 v1(517,983) ; IC3.1 678,766.11 C8.1 v1(738,710) 749,721 R29.2 ; R27.2 v1(749,894) ; v1(852,711) 888.63,747.63 IC2.8 ; IC2.13 1020,801.88 ; R21.1 1009,657.32 1009,695 1009,727 1020,738 v1(1020,782) 1020,801.88 ; C4.1@1046,801.88 1020,801.88 ; C4.1@1046,812 C4.1@1049,809 ; U3.3 1113.92,853.61 1135.61,853.61 1145,863 1145,916.21 U3.28
  Top Layer w10: FB2.2 C16.2 ; v1(738,710) 738,667 C16.2 ; v1(852,711) C3.1 849.63,669 835,669 801,635 C16.2 ; C23.2 C23.2@1046,852 ; C4.1@1046.16,801.84 C4.1 1046,801.88 1046,812 C23.2@1046,852 ; U3.3 1046.68,852.68 C23.2@1046,852
  Bottom Layer w8: v1(517,983) 712,983 749,946 749,890.75 738,879.75 v1(738,710) ; v1(852,711) 949,711 v1(1020,782)
RXD: IC1.11 JP1.3 | length 220.8
  Top Layer w6: IC1.11 1459.29,1260.71 1490,1230 JP1.3
SCL: IC1.4 IC3.12 J3.4 J4.4 R9.1 U3.19 | length 2576.2
  Top Layer w6: IC3.12 502.76,817.76 582.32,897.32 582.32,937.32 600,955 600,1085 v1(700,1185) 714,1199 714,1476 695,1495 644.84,1495 IC1.4 ; U3.19 1314.44,872.68 1349.68,872.68 v1(1350,873)
  Top Layer w8: J4.4 279.21,1665.79 v1(309,1636)
  Top Layer w10: R9.1@533.5,1465 565,1465 596.93,1496.93 IC1.4
  Bottom Layer w6: J3.4 309,1745.55 v1(309,1636) 394,1636 563,1467 v1(563,1465) ; v1(700,1185) 755,1185 816,1246 1264,1246 1316,1194 1316,966 1350,932 v1(1350,873)
SCL_REG: IC2.23 IC3.3 R27.1 | length 366.9
  Top Layer w6: IC3.3 722.76,817.76 731.63,826.63 R27.1 768.63,826.63 775,833 775,929 804,958 871,958 888.63,940.37 IC2.23
SDA: IC1.3 IC3.13 J3.3 J4.3 R8.1 U3.20 | length 2691.5
  Top Layer w6: J4.3@245.07,1715 261,1715 v1(281,1695) ; IC3.13 502.17,792.17 600,890 600,930 620,950 620,1070 v1(705,1155) 730,1180 730,1520 695,1555 ; IC1.3 643.9,1555 694,1555 ; U3.20 1302.82,916.56 1302.82,948.82 v1(1303,949)
  Top Layer w10: J4.3 J4.3@245.07,1715 ; R8.1@533.5,1515 v1(565,1515) 605.98,1555.98 IC1.3
  Bottom Layer w6: J3.3 261,1694.88 ; v1(281,1695) 280.88,1694.88 261,1694.88 ; v1(565,1515) 582,1498 582,1455 571,1444 554,1444 389,1609 295,1609 261,1643 261,1694.88 ; v1(705,1155) 750,1155 828,1233 1255,1233 1303,1185 v1(1303,949)
SDA_REG: IC2.24 IC3.2 R29.1 | length 363.4
  Top Layer w6: IC3.2 746.83,792.17 R29.1 770,790 787,807 787,923 810,946 864,946 872.88,937.12 IC2.24
TXD: IC1.12 JP1.4 | length 212.4
  Top Layer w6: IC1.12 1342.13,1330 JP1.4
USB_D_N: J2.A7 J2.B7 R6.1 | length 529.3
  Top Layer w8: R6.1@1455,1390 1470,1405 1585,1405 1652,1472 1652,1473.41 1653,1474.41 1653,1614 ; J2.A7 1654.21,1672.7 1654.21,1646.59 1653,1645.38 1653,1614 ; J2.B7 1695.49,1629.49 1680,1614 1653,1614
USB_D_P: J2.A6 J2.B6 R7.1 | length 543.4
  Top Layer w8: R7.1 1464.37,1420 1578.79,1420 1639,1480.21 1639,1645.38 1638.34,1646.04 1638.34,1672.7 J2.B6 1636.43,1715.43 1644,1723 1668,1723 1675.8,1715.2 J2.A6
VBAT: C20.1 C29.2 C30.2 R20.1 R28.2 S1.3 S2.3 U4.12 U4.13 | length 2833.2
  Top Layer w6: v1(1440,635) R28.2 ; v1(1620,520) v1(1680,520)
  Top Layer w10: R20.1 546.65,285 588.65,327 681,327 698.09,309.91 698.09,296.91 v1(700,295)
  Top Layer w20: U4.13 480,255 ; C20.1 480,255 ; v1(670,295) 670,270 C30.2 C29.2 480,255 ; C30.2@700,270 v1(700,295) ; S2.3 S1.3
  Bottom Layer w6: v1(1440,635) 1440,605 1525,520 v1(1620,520) ; v1(1680,520) 1680,356 S1.3
  Bottom Layer w20: v1(670,295) 670,115 730,55 1205,55 1285,135 1775,135 S1.3
VUSB: C11.2 C13.2 C21.2 FB3.2 IC4.8 | length 1846
  Top Layer w20: IC4.8 1021.67,345 1020,346.67 1020,421.8 C11.2 C13.2 v1(1150,430) ; v1(1765,1450) FB3.2
  Bottom Layer w20: v1(1150,430) 1566.77,430 1650,513.23 1650,570 1675,595 1675,1125 1765,1215 v1(1765,1450)
pads on no net: IC1.15 IC1.17 IC2.1 IC2.2 IC2.3 IC2.4 IC2.5 IC2.6 IC2.7 IC2.12 IC2.14 IC2.15 IC2.16 IC2.17 IC2.19 IC2.21 IC2.22 IC3.4 IC3.5 IC3.6 IC3.9 IC3.10 IC3.11 J2.A8 J2.B8 J4.MP1 J4.MP2 U3.1 U3.7 U3.8 U3.12 U3.13 U3.15 U3.16 U3.17 U3.18 U3.21 U3.22 U3.23 U3.24 U4.2

## Polygon pours and split planes (outlines as drawn)
GND on Top Layer "GND_L01_P010" (solid, remove dead copper, pour order 10): -110,975 -110,1979 2060,1979 2060,-14 -109,-14 -109,135
NetIC4_7 on Top Layer "NETIC4_7_L01_P011" (solid, pour order 11): 1370,310 1405,275 1405,260 1245,260 1245,275 1240,280 1010,280 1005,285 1005,300 1015,310
GND on Bottom Layer "GND_L02_P006" (solid, remove dead copper, pour order 6): -170,1035 -170,2037 2127.83,2037 2127.83,-85.7 -170,-85.7

## Keep-outs
Keep-Out Layer:
  circle w10: c1879.5,1400 r62.99
  circle w10: c1879.25,417.75 r62.99
  circle w10: c89.25,417.75 r62.99
  circle w4: c1779.74,1731.5 r13
  circle w4: c1552.18,1731.5 r13
  circle w10: c89,1317 r62.99
  lines w10: 0,0 1295,0 1315,20 1455,20 1475,0 1968.5,0 1968.5,616 1873,616 1873,845 1968.5,845 1968.5,1968.5 0,1968.5 0,0
  lines w20: 770,1130 1265,1130

## Other copper
Top Layer:
  pour cut-out: 1092.81,1032 1092.81,934 1259,934 1259,1032
  pour cut-out: 1093.43,936.07 1093.43,749 1335,749 1335,936.07
  pour cut-out: 827.43,926.07 827.43,756.43 996,756.43 996,926.07
  pour cut-out: 609,1967 609,1713 1367,1713 1367,1967
Bottom Layer:
  rectangle net VBAT: 653,275 717,314
  region net NetL2_1: 460.98,200 406,200 406,94 460.98,94
  rectangle net NetL2_2: 317,94 374,200
  pour cut-out: 609,1967 609,1713 1367,1713 1367,1967

## Silkscreen, mask and mechanical layers (free items; w line width, h text height)
Top Overlay:
  circle w6: c1440.82,861 r1
  circle w6: c1440.82,861 r11.18
  lines w6: 1305.75,1044 cw(c1369,1044) 1432.25,1044 1419.03,1057.22 ; 1354,1124 1369,1139 ; 1369,999 1369,1139 ; 1384,1124 1369,1139 ; 1425.82,781 1440.82,796 ; 1425.82,811 1440.82,796 ; 1432.22,1043.97 1445.47,1057.22 ; 1505.82,861 ccw(c1440.82,861) 1440.82,796 ; 1611.5,1084 1766.5,1084 ; 1706.5,1004 1721.5,1019 ; 1706.5,1034 1721.5,1019 ; 1721.5,1149 ccw(c1721.5,1084) 1721.5,1019 ; 1753.28,1070.78 1766.53,1084.03 ; 1753.28,1097.22 1766.53,1083.97 ; 1761.5,1084 1766.5,1084 ; 1814,313 1796,331 ; 1814,349 1796,331 ; 1902,331 1796,331
  text "PWR" at 297,1818 h60
  text "ACT" at 398,1818.42 h60
  text "AUX1" at 295,1659.46 h60
  text "TX" at 1605,1310 h60
  text "RX" at 1610,1210 h60
  text "25%" at 1870,1190.46 h60
  text "Y+" at 1409,1119 h23.62
  text "Tracker Pro" at 849,1062.61 h80
  text "X+" at 1764,1044 h23.62 r180
  text "SlimeVR" at 440,1035.92 h120
  text "ICM-20948" at 752,972.46 h60
  text "9-Asix" at 1365,935.46 h60
  text "100%" at 1840,905.46 h60
  text "Li-ion" at 1550,850.61 h80
  text "+Z" at 1515.82,816 h23.62 r180
  text "BAT 1C" at 1550,790.56 h80
  text "D" at 190,770 h500
  text "BNO-085" at 1130,638.46 h60
  text "TerayTech 2023 / Jan. HW Rev1.4" at 420,400 h80
  text "PWR" at 1785,265 h60
  text "ON" at 1885,265.46 h60
  text "E" at 500,18 h110
  text "FULL" at 935,15 h60
  text "CHG" at 670,10 h60
Bottom Overlay:
  text "AUX2" at 334,1868.46 h60

## Dimensions
0,0 to 1968.5,0 on Mechanical 1